# Altium PCB FMC_ADC_100M_10B_16CHA_TDC.PcbDoc (part 4 of 12) (continued)
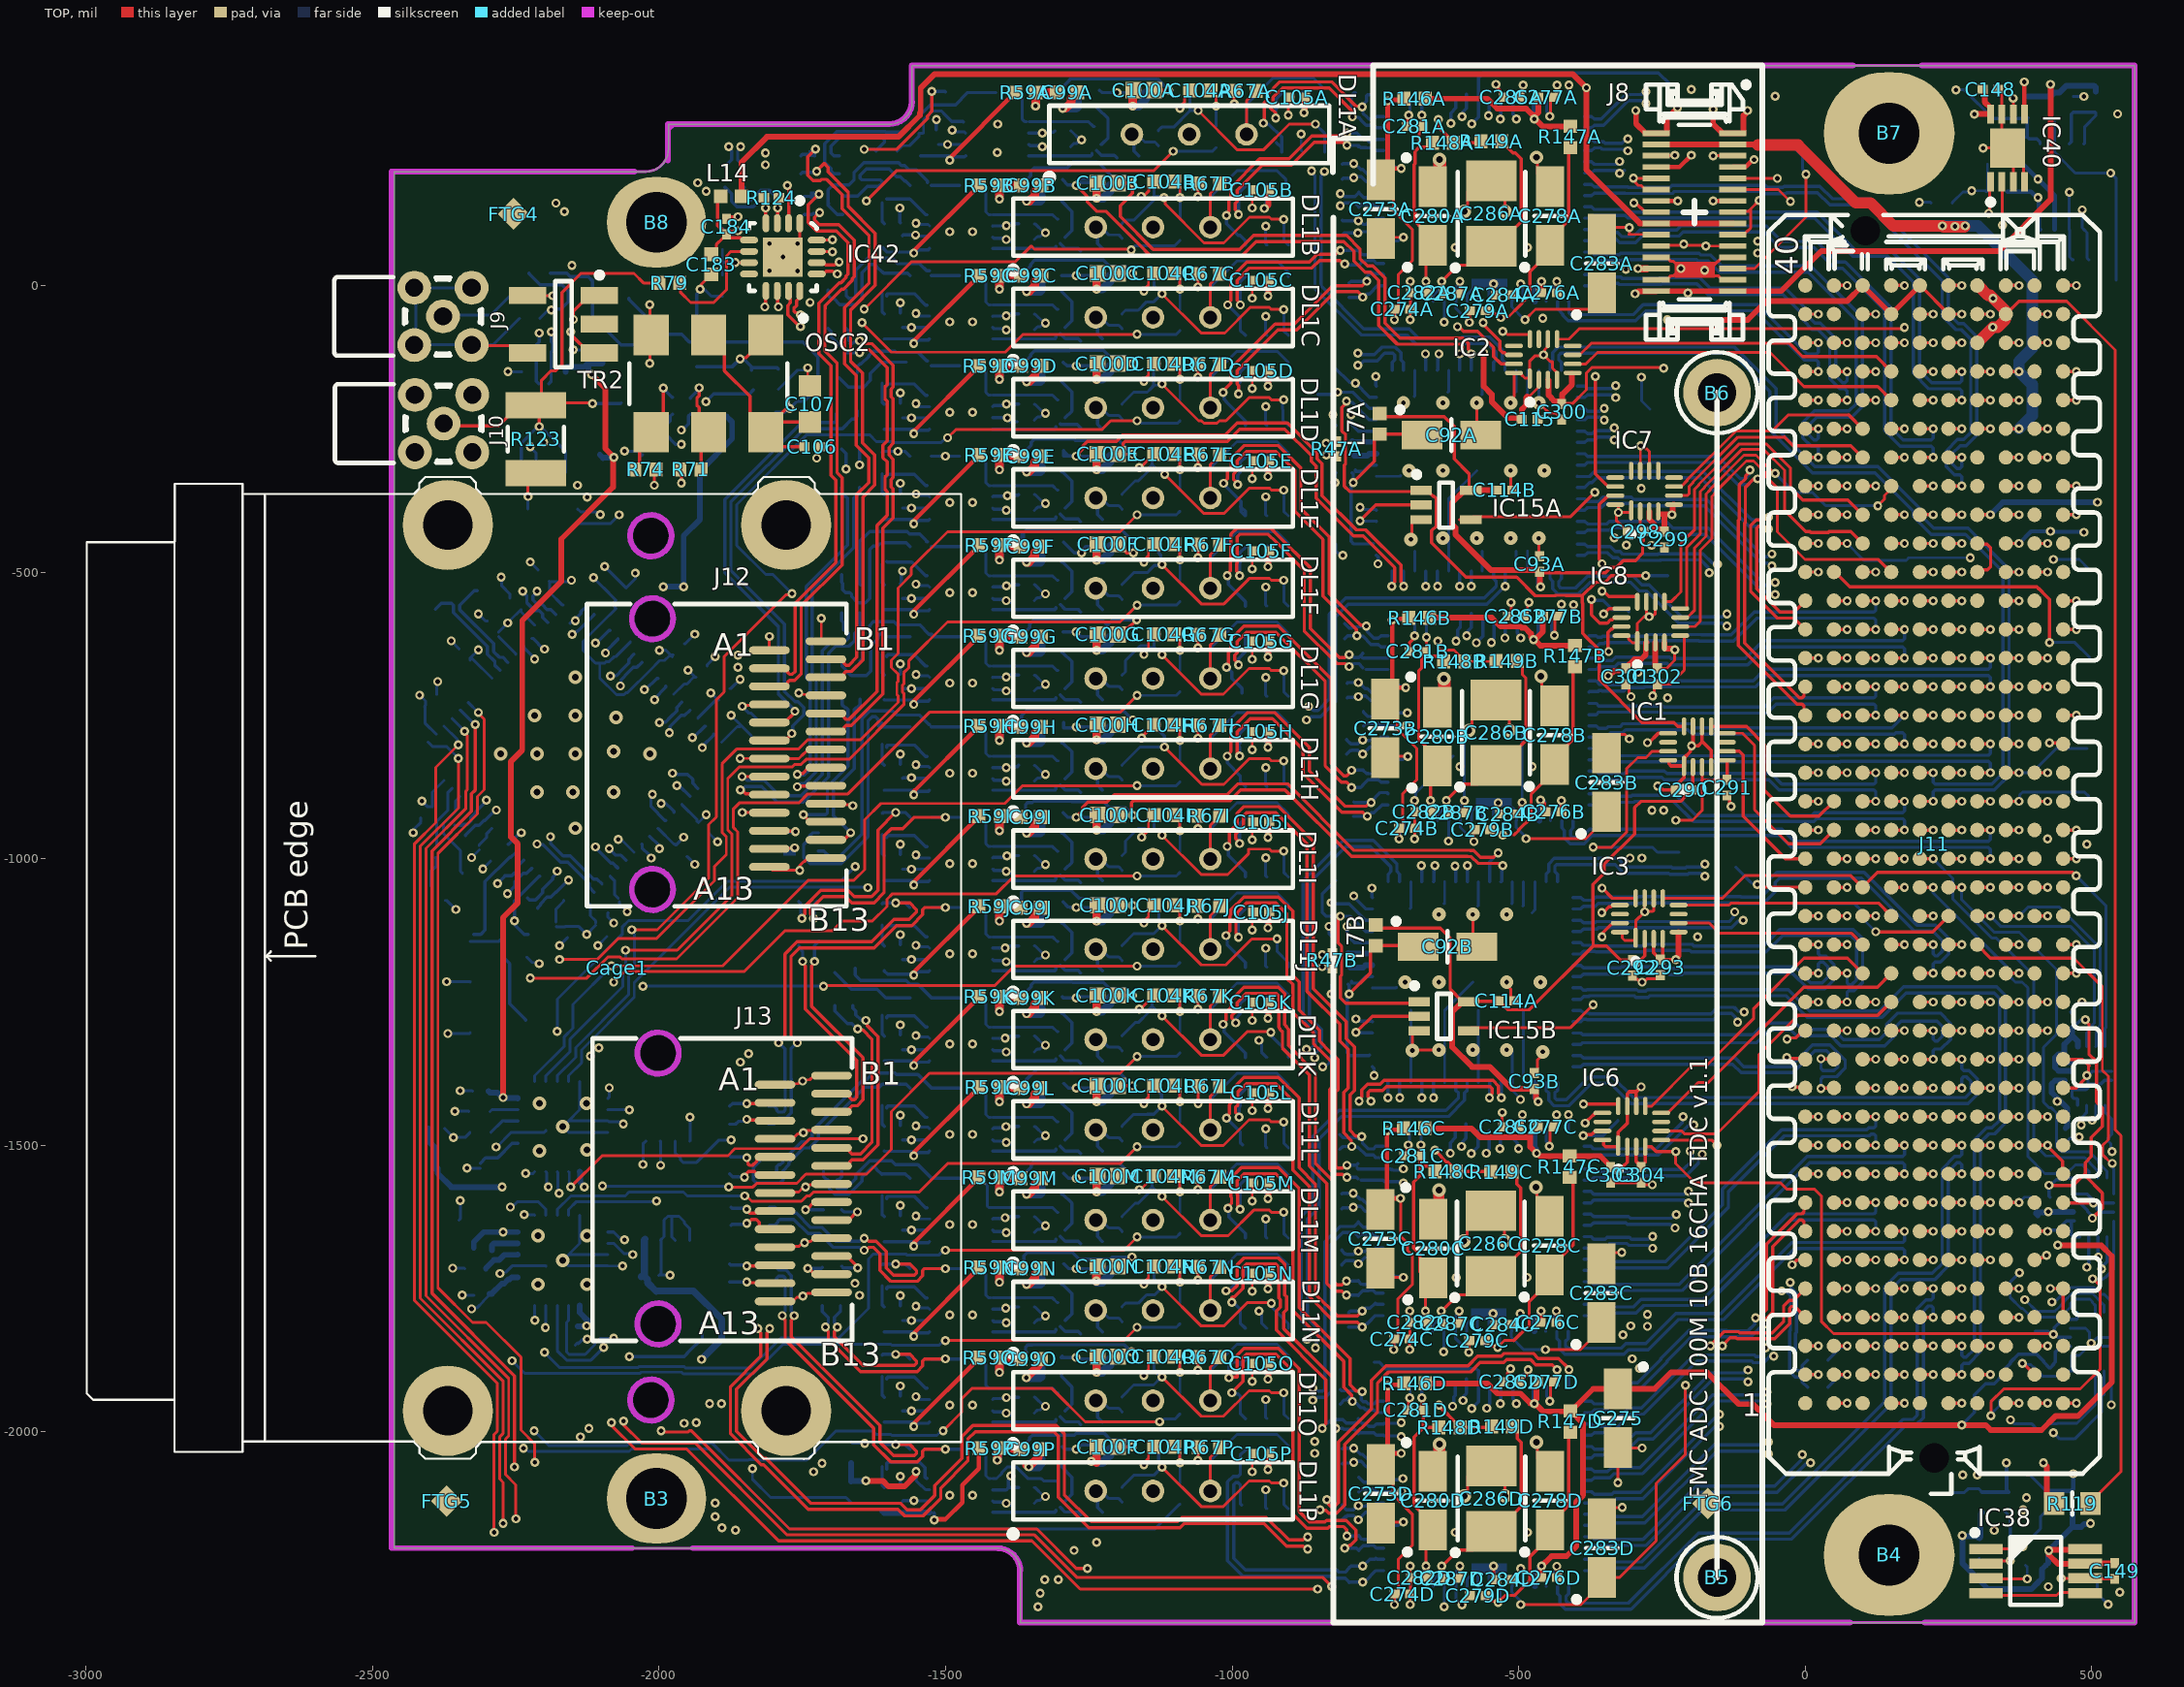
[diagram p0: TOP view]
## Nets (pads, with @x,y where several pads share a name; then routed paths per layer and width w, separated by ;. In a path a pad name is that pad's centre, name@x,y a point inside that pad or via, vN(x,y) a via of type N, cw(c..) or ccw(c..) an arc to the next point about the centre after c; other vN are vias at no path point) (continued)
CFD_OFFSET4: IC35.5 R70E.1 | length 2095.4
  TOP w5: v1(-2173.62,-1175.8) -2107.7,-1175.8 -2071.34,-1139.44 -2004.25,-1139.44 -1903.41,-1038.6 -1903.41,-1013.52 -1882.66,-992.77 -1882.66,-961.65 -1890.1,-954.21 -1890.1,-834.55 -1863.85,-808.3 -1756.32,-808.3 -1740.57,-792.55 -1648.33,-792.55 -1583.07,-727.29 -1583.07,-715.75 -1584.94,-713.87 -1584.94,-692.85 -1583.07,-690.97 -1583.07,-677.98 -1594.63,-666.42 -1594.63,-653.68 -1583.07,-642.12 -1583.07,-527.7 -1559.82,-504.46 -1559.82,-492.89 -1496.65,-429.72 -1195.38,-429.72 v1(-1165.87,-400.21)
  L3 w5: v1(-2193.3,-1572.89) -2193.3,-1521.45 -2189.75,-1517.9 -2189.75,-1359.55 -2192.93,-1356.36 -2192.93,-1195.11 v1(-2173.62,-1175.8)
  BOTTOM w5: IC35.5@-2197.32,-1546.14 -2196.02,-1547.44 -2196.02,-1567.27 -2193.3,-1569.98 v1(-2193.3,-1572.89) ; v1(-1165.87,-400.21) -1097.37,-400.21 R70E.1@-1091.07,-393.91
CFD_OFFSET5: IC35.14 R70F.1 | length 1677.2
  TOP w5: v1(-2058.47,-1159.5) -1968.17,-1159.5 -1872.66,-1063.99 -1872.66,-957.5 -1880.1,-950.07 -1880.1,-860.16 -1860.17,-840.23 -1767.88,-840.23 -1763.05,-835.41 -1751.93,-835.41 -1743.29,-826.76 -1668.4,-826.76 -1573.07,-731.44 -1573.07,-711.6 -1574.94,-709.73 -1574.94,-696.99 -1573.07,-695.11 -1573.07,-675.61 -1563.88,-666.42 -1563.88,-654.43 -1496.65,-587.2 -1195.38,-587.2 v1(-1165.87,-557.69)
  BOTTOM w5: IC35.14@-2197.32,-1388.66 -2197.32,-1378.82 -2155.26,-1336.76 -2155.26,-1314.83 -2063.32,-1222.89 -2063.32,-1199.57 -2058.47,-1194.72 v1(-2058.47,-1159.5) ; v1(-1165.87,-557.69) -1097.37,-557.69 R70F.1@-1091.07,-551.39
CFD_OFFSET6: IC35.6 R70G.1 | length 1811.2
  TOP w5: v1(-2224.8,-1208.29) -2126.05,-1208.29 -2089.44,-1171.69 -2068.03,-1171.69 -2064.84,-1174.88 -1969.41,-1174.88 -1862.66,-1068.13 -1862.66,-953.36 -1870.1,-945.93 -1870.1,-912.98 -1859.9,-902.79 -1756.32,-902.79 -1740.57,-887.04 -1670.51,-887.04 -1528.14,-744.68 -1195.38,-744.68 v1(-1165.87,-715.17)
  L3 w5: v1(-2232.67,-1549.27) -2232.67,-1500.14 -2223.29,-1490.76 -2223.29,-1461.23 -2222.91,-1460.84 -2222.91,-1456.7 -2229,-1450.61 -2229,-1419.22 -2225.32,-1415.55 v1@-2225.32,-1207.77
  BOTTOM w5: v1(-2232.67,-1549.27) -2220.13,-1549.27 IC35.6@-2217,-1546.14 ; v1(-1165.87,-715.17) -1097.37,-715.17 R70G.1@-1091.07,-708.87
CFD_OFFSET7: IC35.13 R70H.1 | length 1432.7
  TOP w5: v1(-2083.07,-1187.06) -1889.01,-1187.06 -1739.41,-1037.46 -1659.75,-1037.46 -1641.32,-1019.02 -1641.32,-932.29 -1612.8,-903.78 -1396.6,-903.78 -1365.48,-872.65 v1(-1165.87,-872.65)
  BOTTOM w5: IC35.13@-2217,-1388.66 -2217,-1378.82 -2165.26,-1327.08 -2165.26,-1310.69 -2150.41,-1295.84 -2150.41,-1254.4 v1(-2083.07,-1187.06) ; v1(-1165.87,-872.65) -1097.37,-872.65 R70H.1@-1091.07,-866.35
CFD_OFFSET8: IC36.3 R70I.1 | length 1888.5
  TOP w5: v1(-2079.14,-1215.45) -2060.75,-1197.06 -1851.64,-1197.06 -1780.58,-1126 -1698,-1126 -1681,-1109 -1628,-1109 -1602.5,-1083.5 -1602.5,-1071.01 -1592.75,-1061.26 -1411.48,-1061.26 -1380.35,-1030.13 v1(-1165.87,-1030.13)
  L3 w5: -2083.07,-1222.49 -2085.2,-1224.62 -2085.2,-1249.42 -2093.07,-1257.29 -2093.07,-1320.24 -2089.84,-1323.47 -2089.84,-1336.2 -2093.07,-1339.43 -2093.07,-1383.98 -2102.38,-1393.29 -2102.38,-1545.58 -2079.14,-1568.83 v1(-2079.14,-1836.67)
  BOTTOM w5: IC36.3@-2157.95,-1779.41 -2157.95,-1805.46 -2161.44,-1808.95 -2161.44,-1860.44 -2157.05,-1864.84 -2128.86,-1864.84 -2112.13,-1848.1 -2112.13,-1846.48 -2102.31,-1836.67 v1(-2079.14,-1836.67) ; v1(-1165.87,-1030.13) -1097.37,-1030.13 R70I.1@-1091.07,-1023.83
CFD_OFFSET9: IC36.16 R70J.1 | length 1576.7
  TOP w5: v1(-1712.99,-1222.49) -1711.56,-1221.06 -1413.79,-1221.06 -1380.35,-1187.61 v1(-1165.87,-1187.61)
  L3 w5: v1(-2027.95,-1222.5) -2044.13,-1222.5 -2083.07,-1261.44 -2083.07,-1316.1 -2079.84,-1319.33 -2079.84,-1340.35 -2083.07,-1343.57 -2083.07,-1381.85 -2071.64,-1393.29 -2071.64,-1415.03 -2063.91,-1422.75 -2045.21,-1422.75 -2036.2,-1431.76 -2036.2,-1450.46 -2012.58,-1474.08 -2012.58,-1541.32 -2004.33,-1549.57 v1(-2004.33,-1597.07)
  BOTTOM w5: IC36.16@-2157.95,-1621.93 -2157.95,-1612.08 -2144.13,-1598.26 -2005.53,-1598.26 v1(-2004.33,-1597.07) ; v1(-2027.95,-1222.5) v1@-1712.99,-1222.49 ; v1(-1165.87,-1187.61) -1097.37,-1187.61 R70J.1@-1091.07,-1181.31
CFD_OFFSET10: IC36.4 R70K.1 | length 1602.9
  TOP w5: v1(-1878.34,-1572.89) -1836.26,-1572.89 -1829.55,-1566.17 -1759.51,-1566.17 -1743.76,-1550.43 -1637.81,-1550.43 -1594.63,-1507.25 -1594.63,-1441.09 -1528.14,-1374.6 -1195.38,-1374.6 v1(-1165.87,-1345.09)
  L3 w5: v1(-2098.82,-1570.89) -2097.79,-1571.92 -2097.79,-1851.82 v1(-2096.75,-1852.85)
  BOTTOM w5: IC36.4@-2177.63,-1779.41 -2177.63,-1858.39 -2161.19,-1874.84 -2118.74,-1874.84 v1(-2096.75,-1852.85) ; v1(-2098.82,-1570.89) -2098.02,-1571.69 -1879.54,-1571.69 v1(-1878.34,-1572.89) ; v1(-1165.87,-1345.09) -1097.37,-1345.09 R70K.1@-1091.07,-1338.79
CFD_OFFSET11: IC36.15 R70L.1 | length 1161.9
  TOP w5: v1@-1854.67,-1588.26 -1847.76,-1588.26 -1838.36,-1597.67 -1751.64,-1597.67 -1742.23,-1588.26 -1737.07,-1588.26 -1730.73,-1581.92 -1546.49,-1581.92 -1496.65,-1532.08 -1195.38,-1532.08 v1(-1165.87,-1502.57)
  BOTTOM w5: IC36.15@-2177.63,-1621.93 -2177.63,-1612.08 -2153.81,-1588.26 -2059.1,-1588.26 -2052.53,-1581.69 -1957.37,-1581.69 -1950.8,-1588.26 -1850.67,-1588.26 v1(-1850.45,-1588.48) ; v1(-1165.87,-1502.57) -1097.37,-1502.57 R70L.1@-1091.07,-1496.27
CFD_OFFSET12: IC36.5 R70M.1 | length 1354.3
  TOP w5: v1(-1500.4,-1683.12) -1188.94,-1683.12 v1(-1165.87,-1660.05)
  L3 w5: v1(-2200.02,-1860.97) -2199.2,-1860.15 -2199.2,-1818.98 v1(-2198.38,-1818.16)
  BOTTOM w5: v1(-2200.02,-1860.97) -2172.97,-1888.02 -2036.86,-1888.02 -2034.62,-1885.78 -1956.75,-1885.78 -1953.73,-1888.8 -1839.77,-1888.8 -1787.18,-1836.21 -1686.44,-1836.21 -1634.62,-1784.39 -1634.62,-1698.12 -1626.06,-1689.56 -1569.52,-1689.56 -1567.9,-1691.18 -1511.36,-1691.18 -1503.3,-1683.12 v1(-1500.4,-1683.12) ; v1(-2198.38,-1818.16) -2197.85,-1817.63 -2197.85,-1779.94 IC36.5@-2197.32,-1779.41 ; v1(-1165.87,-1660.05) -1097.37,-1660.05 R70M.1@-1091.07,-1653.75
CFD_OFFSET13: IC36.14 R70N.1 | length 1564.8
  TOP w5: v1(-1500.4,-1840.6) -1188.94,-1840.6 v1(-1165.87,-1817.53)
  L3 w5: v1(-2259.37,-1607.89) -2259.37,-1610.8 -2256.3,-1613.87 v1(-2256.3,-1876.04)
  BOTTOM w5: v1(-2259.37,-1607.89) -2256.47,-1607.89 -2247.26,-1598.68 -2210.72,-1598.68 -2197.32,-1612.08 IC36.14@-2197.32,-1621.93 ; v1(-2256.3,-1876.04) -2234.31,-1898.02 -2032.72,-1898.02 -2030.48,-1895.78 -1960.89,-1895.78 -1957.88,-1898.8 -1835.63,-1898.8 -1783.87,-1847.04 -1595.44,-1847.04 -1593.82,-1848.66 -1511.36,-1848.66 -1503.3,-1840.6 v1(-1500.4,-1840.6) ; v1(-1165.87,-1817.53) -1097.37,-1817.53 R70N.1@-1091.07,-1811.23
CFD_OFFSET14: IC36.6 R70O.1 | length 1473.4
  TOP w5: v1(-1504.33,-1998.08) -1471.84,-1965.59 -1471.84,-1942.33 -1453.35,-1923.83 -1315.01,-1923.83 -1256.33,-1982.51 -1126.56,-1982.51 v1(-1126.38,-1982.34)
  L3 w5: v1(-2217.9,-1998.08) -2217.42,-1997.6 -2217.42,-1805.66 v1(-2216.93,-1805.17)
  BOTTOM w5: v1(-2217.9,-1998.08) -2191.8,-2024.19 -2056.31,-2024.19 -2052.07,-2019.95 -1907.37,-2019.95 -1877.88,-2049.44 -1844.21,-2049.44 -1843.33,-2048.56 -1830.59,-2048.56 -1829.71,-2049.44 -1742.35,-2049.44 -1691.53,-1998.62 -1626.89,-1998.62 -1620.98,-2004.52 -1595.44,-2004.52 -1593.82,-2006.14 -1515.3,-2006.14 -1507.24,-1998.08 v1(-1504.33,-1998.08) ; IC36.6@-2217,-1779.41 IC36.6@-2217,-1779.41 -2216.97,-1805.13 v1(-2216.93,-1805.17) ; v1(-1126.38,-1982.34) -1123.47,-1982.34 -1118.77,-1977.63 -1099.98,-1977.63 R70O.1@-1091.07,-1968.71
CFD_OFFSET15: IC36.13 R70P.1 | length 1651.8
  L3 w5: v1(-2236.62,-2028.52) -2235.92,-2027.83 -2235.92,-1621.77 v1(-2235.23,-1621.08)
  BOTTOM w5: v1(-2236.62,-2028.52) -2233.71,-2028.52 -2228.03,-2034.19 -2052.17,-2034.19 -2047.93,-2029.95 -1911.52,-2029.95 -1772.14,-2169.33 -1134.99,-2169.33 -1091.85,-2126.19 R70P.1@-1091.07,-2126.19 ; v1(-2235.23,-1621.08) -2217.85,-1621.08 IC36.13@-2217,-1621.93
CFD_OUT0.SIG_N: IC32A.3 IC50A.48 R140A.2 | length 408.6
  TOP w5.71: v1(-945.64,283.18) -944.14,284.68 -944.14,319.2 -939.15,324.18 -939.15,332.53 -916.55,355.13 -826.06,355.13 -783.66,312.73 -773.79,312.73 v1(-772.81,311.76)
  BOTTOM w5.71: v1@-945.64,281.81 -945.09,281.26 -935.95,281.26 -913.78,259.09 IC32A.3@-913.78,240.36 ; IC32A.3@-922.74,249.32 IC32A.3@-913.78,240.36 ; IC32A.3@-913.78,232.49 IC32A.3@-913.78,240.36 ; R140A.2@-760.24,332.62 -764.16,332.62 -765.63,331.15 -765.63,321.65 -772.81,314.47 v1(-772.81,311.76) -771.84,310.78 -771.84,300.9 -764.85,293.92 -764.85,293.41 -761.5,290.07 -752.66,290.07 -748.18,294.55 IC50A.48@-735.7,294.55
CFD_OUT0.SIG_P: IC32A.4 IC50A.47 R140A.1 | length 373.3
  TOP w5.71: v1(-924,291.9) -924,300.6 -933.43,310.03 -933.43,314.76 -928.44,319.74 -928.44,328.09 -912.11,344.42 -830.5,344.42 -791.24,305.16 -791.24,295.28 v1(-790.27,294.3)
  BOTTOM w5.71: v1(-924,291.9) -924,309.56 -922.74,308.29 -922.74,325.9 IC32A.4@-913.78,334.85 ; R140A.1@-784.85,336.56 R140A.1@-786.22,336.56 -786.62,336.56 -792.03,331.15 -792.03,296.07 v1(-790.27,294.3) -789.29,293.33 -779.41,293.33 -775.56,289.48 -775.56,288.98 -765.94,279.35 -752.66,279.35 -748.18,274.87 IC50A.47@-735.7,274.87
CFD_OUT1.SIG_N: IC32B.3 IC50A.46 R141A.2 | length 433.2
  TOP w5.71: v1(-1009.89,122.34) -1009.89,125.06 -1005.52,129.43 -1005.52,147.96 -1002.27,151.21 -1002.27,170.56 -952,220.82 -900.97,220.82 -861.14,260.66 -807.34,260.66 -802.32,265.68 v1(-799.61,265.68)
  BOTTOM w5.71: v1(-1009.89,122.34) -1009.89,107.45 -989.78,87.35 -985.85,87.35 -976.89,78.4 IC32B.3@-976.89,70.52 ; v1(-799.61,265.68) -782.27,265.68 -771.64,255.05 -765.85,255.05 -761.5,250.7 -752.66,250.7 -748.18,255.18 IC50A.46@-735.7,255.18
CFD_OUT1.SIG_P: IC32B.4 IC50A.45 R141A.1 | length 397.2
  TOP w5.71: v1(-989,124) -989,126.56 -994.81,132.36 -994.81,143.52 -991.55,146.77 -991.55,166.12 -947.57,210.11 -896.54,210.11 -856.7,249.95 -807.34,249.95 -802.32,244.93 v1(-799.61,244.93)
  BOTTOM w5.71: v1(-989,124) -989,152.9 -985.85,156.06 -985.85,163.93 IC32B.4@-976.89,172.88 ; v1(-799.61,244.93) -799.01,244.33 -781.69,244.33 R141A.1@-779.55,242.19 ; R141A.1@-779.55,244.33 -775.69,240.48 -766.43,240.48 -765.94,239.98 -752.66,239.98 -748.18,235.5 IC50A.45@-735.7,235.5
CFD_OUT2.SIG_N: IC32C.3 IC50A.36 R142A.2 | length 407.1
  TOP w5.71: v1(-1007.72,-34.07) -1007.72,-31.35 -1002.14,-25.77 -1002.14,-14.52 -1002.27,-14.39 -1002.27,13.08 -974.24,41.1 -865.07,41.1 -851.98,54.2 -819.78,54.2 -813.02,60.97 v1(-811.42,60.97)
  BOTTOM w5.71: v1(-1007.72,-34.07) -1001.58,-40.21 -1001.58,-40.58 -992.36,-49.8 -991.99,-49.8 -985.85,-55.94 -985.85,-78 IC32C.3@-976.89,-86.96 ; v1(-811.42,60.97) -779.67,60.97 R142A.2@-779.01,60.3 -779.01,59.51 -773.6,54.1 -770.59,54.1 -770.25,53.77 -765.52,53.77 -765.44,53.85 -752.66,53.85 -748.18,58.33 IC50A.36@-735.7,58.33
CFD_OUT2.SIG_P: IC32C.4 IC50A.35 R142A.1 | length 378.3
  TOP w5.71: v1(-985.85,-34.07) -985.85,-31.35 -991.43,-25.77 -991.43,-10.08 -991.55,-9.96 -991.55,8.64 -969.8,30.39 -860.64,30.39 -847.54,43.49 -811.73,43.49 -805.59,37.35 v1(-803.36,37.35)
  BOTTOM w5.71: v1(-985.85,-34.07) -985.85,6.45 IC32C.4@-976.89,15.4 ; v1(-803.36,37.35) -802.04,36.02 -780.71,36.02 R142A.1@-779.01,34.32 -779.01,35.1 -771.06,43.05 -761.08,43.05 -761,43.13 -752.66,43.13 -748.18,38.65 IC50A.35@-735.7,38.65
CFD_OUT3.SIG_N: IC32D.3 IC50A.34 R143A.2 | length 495.2
  TOP w5.71: v1(-1015.79,-186.71) -1015.79,-184 -1002.27,-170.47 -1002.27,-144.4 -924.96,-67.1 -891.69,-67.1 -824.81,-0.22 -773.37,-0.22 -765.8,7.35 v1(-765.01,7.35)
  BOTTOM w5.71: v1@-1013.87,-189.3 -1013.87,-198.51 -1010.5,-201.88 -1010.5,-202.95 -976.89,-236.56 IC32D.3@-976.89,-244.44 ; R143A.2@-795.67,4.28 -792.91,7.03 -772.88,7.03 v1@-772.56,7.35 ; v1(-765.01,7.35) v1@-772.56,7.35 ; IC50A.34@-735.7,18.96 -737.59,20.85 -754.33,20.85 -756.24,22.76 -757.16,22.76 v1@-772.56,7.35
CFD_OUT3.SIG_P: IC32D.4 IC50A.33 R143A.1 | length 433.9
  TOP w5.71: v1(-989,-189.05) -989,-174.41 -991.55,-171.85 -991.55,-148.84 -920.53,-77.81 -887.25,-77.81 -820.38,-10.94 -780.41,-10.94 -772.05,-19.3 v1(-772.05,-20.53)
  BOTTOM w5.71: v1(-989,-189.05) -989,-173.3 -989.76,-172.53 -985.85,-168.62 -985.85,-151.03 IC32D.4@-976.89,-142.08 ; R143A.1@-795.93,-20.66 -772.18,-20.66 v1(-772.05,-20.53) ; -764.71,-14.6 -760.41,-14.6 -746.53,-0.72 IC50A.33@-735.7,-0.72
CFD_OUT4.SIG_N: IC32E.3 IC50B.48 R140B.2 | length 707.7
  TOP w5.71: v1(-1015.18,-345.23) -1015.18,-343.8 -1008.25,-336.86 -1008.25,-323.97 -1001.79,-317.51 -1001.79,-306.53 -1002.27,-306.05 -1002.27,-301.88 -979.66,-279.28 -919,-279.28 -880.07,-318.21 -880.07,-389.58 -830.85,-438.81 -830.85,-537.72 -775.79,-592.78 v1@-765.91,-592.78
  BOTTOM w5.71: v1@-1016.13,-345.23 -984.26,-377.1 IC32E.3@-984.26,-386.68 ; IC32E.3@-985.85,-385.09 IC32E.3@-984.26,-386.68 ; R140B.2@-803.55,-590.21 -795.91,-597.85 -791.27,-597.85 -788.91,-595.48 -775.88,-595.48 v1@-770.29,-594.73 ; v1@-763.96,-594.73 -763.96,-604.61 -753.13,-615.44 -744.79,-615.44 -740.3,-610.96 IC50B.48@-727.83,-610.96 ; IC32E.3@-984.26,-386.68 -984.26,-394.55 IC32E.3@-976.89,-401.92 -976.89,-394.04 IC32E.3@-984.26,-386.68
  other v1: -766,-594
CFD_OUT4.SIG_P: IC32E.4 IC50B.47 R140B.1 | length 640.7
  TOP w5.71: v1(-990.6,-347.06) -990.6,-345.63 -997.53,-338.7 -997.53,-328.41 -991.08,-321.95 -991.08,-305.84 -975.23,-289.99 -923.44,-289.99 -890.78,-322.65 -890.78,-394.02 -841.56,-443.24 -841.56,-542.16 -783.37,-600.36 -783.37,-610.24 v1(-782.39,-611.21)
  BOTTOM w5.71: v1(-990.6,-347.06) -990.6,-330.85 -985.85,-326.1 -985.85,-308.51 IC32E.4@-976.89,-299.56 ; R140B.1@-803.55,-616.19 -798.56,-611.21 -785.04,-611.21 v1@-782.39,-608.56 ; v1(-782.39,-611.21) -781.42,-612.18 -771.54,-612.18 -757.56,-626.16 -744.79,-626.16 -740.3,-630.64 IC50B.47@-727.83,-630.64
CFD_OUT5.SIG_N: IC32F.3 IC50B.46 R141B.2 | length 570.8
  TOP w5.71: v1(-1008.6,-506.29) -1008.6,-503.57 -1002.99,-497.96 -1002.99,-480.64 -1002.27,-479.91 -1002.27,-433.88 -991.68,-423.3 -932.47,-423.3 -919,-436.76 -863.46,-492.3 -863.46,-598.46 -812.9,-649.03 -803.4,-649.03 -798.39,-644.01 v1(-795.67,-644.01)
  BOTTOM w5.71: v1@-1007.36,-510.24 -1006.68,-510.92 -1006.68,-521.74 -976.89,-551.53 IC32F.3@-976.89,-559.4 ; -787.94,-649.03 -778.9,-649.03 -772.05,-642.18 R141B.2@-772.05,-641.39 ; R141B.2@-773.02,-648.97 -771.71,-650.29 -756.33,-650.29 -756.29,-650.33 IC50B.46@-727.83,-650.33
CFD_OUT5.SIG_P: IC32F.4 IC50B.45 R141B.1 | length 549.6
  TOP w5.71: v1(-987,-506.51) -987,-503.79 -992.28,-498.52 -992.28,-485.08 -991.55,-484.35 -991.55,-438.32 -987.24,-434.01 -936.9,-434.01 -923.44,-447.47 -874.18,-496.74 -874.18,-602.9 -817.34,-659.74 -803.4,-659.74 -798.39,-664.76 v1(-795.67,-664.76)
  BOTTOM w5.71: v1(-987,-506.51) -987,-482.43 -985.85,-483.58 -985.85,-465.99 IC32F.4@-976.89,-457.04 ; v1(-795.67,-664.76) -792.96,-664.76 -787.94,-659.74 -778.9,-659.74 -772.05,-666.59 R141B.1@-772.05,-667.38 ; R141B.1@-766.02,-669.97 -764.48,-669.97 -764.44,-670.01 IC50B.45@-727.83,-670.01
CFD_OUT6.SIG_N: IC32G.3 IC50B.36 R142B.2 | length 597.4
  TOP w5.71: v1(-1010,-666) -1010,-663.28 -1006.18,-659.47 -1006.18,-640.6 -1002.27,-636.69 -1002.27,-616.84 -979.66,-594.24 -919,-594.24 -826.98,-686.26 -826.98,-833.86 -805.25,-855.59 -800.52,-855.59 -791.73,-846.81 v1(-791.73,-845.86)
  BOTTOM w5.71: v1(-1010,-666) -1008.94,-666 -1000.57,-674.38 -1000.57,-685.33 -982.97,-702.93 IC32G.3@-982.97,-710.8 ; v1(-791.73,-845.86) -791.08,-845.21 R142B.2@-771.14,-845.21 -771.14,-846 -765.72,-851.41 -762.71,-851.41 -762.38,-851.75 -757.64,-851.75 -757.56,-851.66 -744.79,-851.66 -740.3,-847.18 IC50B.36@-727.83,-847.18
CFD_OUT6.SIG_P: IC32G.4 IC50B.35 R142B.1 | length 575.4
  TOP w5.71: v1(-989,-662) -989,-660.1 -995.47,-653.63 -995.47,-645.04 -991.55,-641.13 -991.55,-621.28 -975.23,-604.95 -923.44,-604.95 -837.69,-690.7 -837.69,-838.3 -809.69,-866.31 -800.52,-866.31 -791.73,-875.09 v1(-791.73,-876.04)
  BOTTOM w5.71: v1(-989,-662) -988.66,-661.66 -988.66,-650.51 -976.77,-638.62 -976.77,-614.64 IC32G.4@-976.89,-614.52 ; v1(-791.73,-876.04) -775.98,-876.04 R142B.1@-771.14,-871.19 -771.14,-870.41 -763.19,-862.46 -753.21,-862.46 -753.13,-862.38 -744.79,-862.38 -740.3,-866.86 IC50B.35@-727.83,-866.86
CFD_OUT7.SIG_N: IC32H.3 IC50B.34 R143B.2 | length 536.8
  TOP w5.71: v1(-1008.61,-821.26) -1008.61,-819.23 -1002.27,-812.89 -1002.27,-774.32 -973.23,-745.29 -925.44,-745.29 -865.44,-805.28 -865.44,-846.8 -803.88,-908.36 -765.84,-908.36 -759.57,-902.08 v1(-757.48,-902.08)
  BOTTOM w5.71: v1(-1008.61,-821.26) -1008.28,-821.58 -1008.28,-832.76 -985.85,-855.19 -985.85,-865.41 IC32H.3@-976.89,-874.36 ; R143B.2@-787.8,-901.23 -786.95,-902.08 v1@-758.84,-902.08 ; v1(-757.48,-902.08) v1@-758.84,-902.08 ; IC50B.34@-727.83,-886.55 -729.72,-884.66 -741.41,-884.66 v1@-758.84,-902.08
CFD_OUT7.SIG_P: IC32H.4 IC50B.33 R143B.1 | length 490.9
  TOP w5.71: v1@-991.55,-817.09 -991.55,-778.76 -968.79,-756 -929.87,-756 -876.15,-809.72 -876.15,-851.24 -808.32,-919.07 -772.54,-919.07 -765.57,-926.04 v1(-764.17,-926.04) ; v1@-989.88,-815.41 -987,-818.28 v1(-987,-821)
  BOTTOM w5.71: v1(-987,-821) -987,-805.24 -989.76,-802.47 -985.85,-798.56 -985.85,-780.95 IC32H.4@-976.89,-772 ; R143B.1@-788.05,-926.17 -764.31,-926.17 v1(-764.17,-926.04) ; -756.84,-920.11 -752.53,-920.11 -738.65,-906.23 IC50B.33@-727.83,-906.23
CFD_OUT8.SIG_N: IC32I.3 IC50C.48 R140C.2 | length 946
  TOP w5.71: v1(-1008.61,-978.74) -1008.61,-976.02 -1004.66,-972.07 -1004.66,-952.67 -990.97,-938.98 -990.97,-920.5 -979.66,-909.2 -919,-909.2 -858.65,-969.56 -858.65,-1227.04 -801.16,-1284.53 -801.16,-1313.75 -786.76,-1328.15 -786.76,-1404.6 -794.43,-1412.27 -794.43,-1473.88 -784.58,-1483.73 -774.7,-1483.73 v1(-773.73,-1484.7)
  BOTTOM w5.71: v1(-1008.61,-978.74) -1006.69,-980.66 -1006.69,-994.17 -976.89,-1023.97 IC32I.3@-976.89,-1031.84 ; R140C.2@-812.34,-1481.16 -807.07,-1486.42 -781.88,-1486.42 v1@-779.52,-1488.79 ; v1(-773.73,-1484.7) -772.75,-1485.67 -772.75,-1495.55 -761.92,-1506.39 -753.58,-1506.39 -749.09,-1501.9 IC50C.48@-736.62,-1501.9
CFD_OUT8.SIG_P: IC32I.4 IC50C.47 R140C.1 | length 894.4
  TOP w5.71: v1(-987,-973.42) -987,-972 -993.94,-965.06 -993.94,-957.11 -980.25,-943.42 -980.25,-924.94 -975.23,-919.91 -923.44,-919.91 -869.36,-974 -869.36,-1231.48 -811.87,-1288.96 -811.87,-1318.18 -797.47,-1332.58 -797.47,-1400.16 -805.14,-1407.83 -805.14,-1478.31 -792.16,-1491.3 -792.16,-1501.18 v1(-791.18,-1502.15)
  BOTTOM w5.71: v1(-987,-973.42) -987,-939.58 IC32I.4@-976.89,-929.48 ; R140C.1@-812.34,-1507.14 -807.35,-1502.15 -793.83,-1502.15 v1@-791.18,-1499.5 ; v1(-791.18,-1502.15) -790.21,-1503.13 -780.33,-1503.13 -766.36,-1517.1 -753.58,-1517.1 -749.09,-1521.59 IC50C.47@-736.62,-1521.59
CFD_OUT9.SIG_N: IC32J.3 IC50C.46 R141C.2 | length 850.7
  TOP w5.71: v1(-1010.57,-1134.25) -1010.57,-1132.39 -1004.07,-1125.88 -1004.07,-1099.43 -1002.27,-1097.63 -1002.27,-1089.28 -979.66,-1066.68 -919,-1066.68 -893.9,-1091.79 -893.9,-1204.34 -883.18,-1215.06 -883.18,-1263.86 -847.31,-1299.73 -847.31,-1318.5 -829.36,-1336.45 ; -829.36,-1336.49 -815.65,-1350.2 -815.65,-1403.18 -819.4,-1406.93 -819.4,-1536.63 -816.05,-1539.97 -807.34,-1539.97 -802.32,-1534.95 v1(-799.61,-1534.95)
  BOTTOM w5.71: v1(-1010.57,-1134.25) -1008.65,-1136.17 -1008.65,-1149.69 -976.89,-1181.45 IC32J.3@-976.89,-1189.32 ; v1(-799.61,-1534.95) -783.46,-1534.95 R141C.2@-780.84,-1532.34 ; R141C.2@-781.81,-1539.92 -780.5,-1541.23 -765.12,-1541.23 -765.08,-1541.27 -724.14,-1541.27 -722.97,-1542.44 -720.52,-1542.44 -719.39,-1543.56 -709.54,-1543.56 -708.96,-1542.98 -703.1,-1542.98 v1(-701.18,-1541.06)
CFD_OUT9.SIG_P: IC32J.4 IC50C.45 R141C.1 | length 813.6
  TOP w5.71: v1(-989,-1137) -989,-1134.28 -993.35,-1129.93 -993.35,-1103.87 -991.55,-1102.07 -991.55,-1093.72 -975.23,-1077.39 -923.44,-1077.39 -904.61,-1096.23 -904.61,-1208.78 -893.9,-1219.49 -893.9,-1268.29 -858.02,-1304.17 -858.02,-1322.94 -854.74,-1326.21 ; -854.74,-1326.26 -849.33,-1331.67 ; -849.29,-1331.67 -840.07,-1340.89 ; -840.07,-1340.93 -826.36,-1354.64 -826.36,-1398.75 -830.11,-1402.5 -830.11,-1541.06 -820.49,-1550.68 -807.34,-1550.68 -802.32,-1555.7 v1(-799.61,-1555.7)
  BOTTOM w5.71: v1@-989.76,-1137 -989.76,-1099.83 IC32J.4@-976.89,-1086.96 ; v1(-799.61,-1555.7) -783.46,-1555.7 R141C.1@-780.84,-1558.32 ; R141C.1@-774.81,-1560.92 -773.27,-1560.92 -773.23,-1560.96 IC50C.45@-736.62,-1560.96 -734.33,-1563.25 -709.54,-1563.25 -708.96,-1563.83 -703.1,-1563.83 v1(-701.18,-1565.75)
CFD_OUT10.SIG_N: IC32K.3 IC50C.36 R142C.2 | length 861.4
  TOP w5.71: v1(-1015.79,-1289.07) -1015.79,-1286.36 -1011.03,-1281.6 -1011.03,-1268.79 -1002.27,-1260.02 -1002.27,-1246.76 -979.66,-1224.16 -919,-1224.16 -908.13,-1235.04 -908.13,-1289.7 -905.93,-1291.89 -905.93,-1293.07 -901.5,-1297.5 -901.5,-1326.08 -854.74,-1372.84 -854.74,-1531.58 -824.33,-1562 -824.33,-1736.25 -816.79,-1743.79 -808.89,-1743.79 -801.9,-1736.8 v1(-800.52,-1736.8)
  BOTTOM w5.71: v1@-1013.87,-1291.66 -1013.87,-1301.95 -976.89,-1338.93 IC32K.3@-976.89,-1346.8 ; v1(-800.52,-1736.8) -780.58,-1736.8 R142C.2@-779.93,-1736.16 -779.93,-1736.94 -774.51,-1742.35 -771.5,-1742.35 -771.17,-1742.69 -766.44,-1742.69 -766.36,-1742.61 -753.58,-1742.61 -749.09,-1738.12 IC50C.36@-736.62,-1738.12
CFD_OUT10.SIG_P: IC32K.4 IC50C.35 R142C.1 | length 821.2
  TOP w5.71: v1(-993.86,-1286.45) -993.86,-1284.55 -1000.32,-1278.09 -1000.32,-1273.22 -991.55,-1264.46 -991.55,-1251.2 -975.23,-1234.87 -923.44,-1234.87 -918.84,-1239.48 -918.84,-1294.14 -916.64,-1296.33 -916.64,-1297.51 -912.21,-1301.94 -912.21,-1330.52 -865.46,-1377.27 -865.46,-1536.02 -835.04,-1566.43 -835.04,-1740.69 -821.23,-1754.5 -808.89,-1754.5 -801.9,-1761.49 v1(-800.52,-1761.49)
  BOTTOM w5.71: v1(-993.86,-1286.45) -993.86,-1278.99 -985.85,-1270.98 -985.85,-1253.39 IC32K.4@-976.89,-1244.44 ; v1(-800.52,-1761.49) -780.58,-1761.49 R142C.1@-779.93,-1762.14 -779.93,-1761.35 -771.98,-1753.4 -762,-1753.4 -761.92,-1753.32 -753.58,-1753.32 -749.09,-1757.81 IC50C.35@-736.62,-1757.81
CFD_OUT11.SIG_N: IC32L.3 IC50C.34 R143C.2 | length 774.5
  TOP w5.71: v1(-1009.89,-1452.46) -1009.89,-1449.74 -1004.98,-1444.83 -1004.98,-1429.29 -1000.7,-1425.02 -1000.7,-1402.67 -979.66,-1381.64 -919,-1381.64 -883.18,-1417.46 -883.18,-1538.98 -854.73,-1567.44 -854.73,-1759.58 -816.46,-1797.85 -781.39,-1797.85 v1(-772.96,-1789.42)
  BOTTOM w5.71: v1(-1009.89,-1452.46) -985.85,-1476.5 -985.85,-1495.33 IC32L.3@-982.18,-1499 ; R143C.2@-796.59,-1792.18 -793.83,-1789.42 v1@-773.8,-1789.42 ; v1(-772.96,-1789.42) -767.94,-1784.41 -759.4,-1784.41 -750.53,-1775.53 -749.8,-1775.53 -747.84,-1777.49 IC50C.34@-736.62,-1777.49
CFD_OUT11.SIG_P: IC32L.4 IC50C.33 R143C.1 | length 743.6
  TOP w5.71: v1(-988,-1451) -988,-1448.9 -994.26,-1442.64 -994.26,-1433.73 -989.98,-1429.45 -989.98,-1407.11 -975.23,-1392.35 -923.44,-1392.35 -893.9,-1421.9 -893.9,-1543.42 -865.44,-1571.88 -865.44,-1764.01 -820.89,-1808.56 -781.39,-1808.56 v1(-772.96,-1816.98)
  BOTTOM w5.71: v1(-988,-1451) -988,-1434.16 -985.85,-1432.01 -985.85,-1410.87 IC32L.4@-976.89,-1401.92 ; R143C.1@-796.96,-1817.24 -796.84,-1817.12 -773.1,-1817.12 v1(-772.96,-1816.98) ; -765.63,-1811.06 -764,-1811.06 -762.49,-1809.55 -762.49,-1809.49 -750.18,-1797.18 IC50C.33@-736.62,-1797.18
CFD_OUT12.SIG_N: IC32M.3 IC50D.48 R140D.2 | length 761.7
  TOP w5.71: v1(-1007.46,-1609.78) -1007.46,-1607.79 -1001.09,-1601.42 -1001.09,-1590.98 -1002.27,-1589.81 -1002.27,-1557.29 -984.1,-1539.12 -919,-1539.12 -883.18,-1574.94 -883.18,-1783.6 -794.43,-1872.35 -794.43,-1917.84 -783.67,-1928.61 -773.79,-1928.61 v1(-772.81,-1929.58)
  BOTTOM w5.71: v1@-1002.83,-1611.7 -1005.54,-1614.42 -1005.54,-1625.24 -976.89,-1653.89 IC32M.3@-976.89,-1661.76 ; R140D.2@-811.42,-1926.04 -809.18,-1928.28 -777.45,-1928.28 -776.18,-1929.55 -776.18,-1930 -774.54,-1931.64 -774.54,-1943.88 -771.19,-1947.23 -766.33,-1947.23 -762.29,-1951.27 -752.67,-1951.27 -748.18,-1946.79 IC50D.48@-735.7,-1946.79
CFD_OUT12.SIG_P: IC32M.4 IC50D.47 R140D.1 | length 737.9
  TOP w5.71: v1(-986,-1611.7) -986,-1608.99 -990.38,-1604.61 -990.38,-1586.55 -991.55,-1585.37 -991.55,-1561.72 -979.66,-1549.83 -923.44,-1549.83 -893.9,-1579.38 -893.9,-1788.04 -805.14,-1876.79 -805.14,-1922.28 -791.24,-1936.18 -791.24,-1946.06 v1(-790.27,-1947.04)
  BOTTOM w5.71: v1(-986,-1611.7) -986,-1593.62 -985.85,-1593.47 -985.85,-1568.35 IC32M.4@-976.89,-1559.4 ; R140D.1@-811.42,-1952.02 -811.42,-1951.23 -804.57,-1944.39 -794.59,-1944.39 -794.38,-1944.59 -790.47,-1944.59 v1@-790.27,-1944.39 ; -799.9,-1942.95 -795.95,-1939 -795.23,-1939.71 -790.5,-1939.71 -785.25,-1944.96 -785.25,-1948.32 -775.63,-1957.94 -770.77,-1957.94 -766.73,-1961.98 -752.67,-1961.98 -748.18,-1966.47 IC50D.47@-735.7,-1966.47
CFD_OUT13.SIG_N: IC32N.3 IC50D.46 R141D.2 | length 672
  TOP w5.71: v1(-1000.51,-1774.23) -1000.51,-1765.82 -999.4,-1764.71 -996.25,-1764.71 -980.81,-1749.27 -980.81,-1712.9 -975.23,-1707.31 -923.44,-1707.31 -918.84,-1711.92 -918.84,-1766.58 -916.03,-1769.39 -916.03,-1782.42 -922.92,-1789.32 -922.92,-1822.51 -836.46,-1908.98 -836.46,-1985.78 -840.59,-1989.92 -840.59,-1992.54 v1@-838.98,-1994.15
  BOTTOM w5.71: v1@-993.86,-1778.17 -985.85,-1786.18 -985.85,-1810.29 IC32N.3@-976.89,-1819.24 ; v1(-842.91,-1994.15) -827.18,-1978.42 -807.16,-1978.42 -800.72,-1984.85 -786.77,-1984.85 -785.34,-1983.42 R141D.2@-774.51,-1983.42 ; R141D.2@-779.93,-1977.22 -779.93,-1978.01 R141D.2@-774.51,-1983.42 ; v1(-705.12,-1983.66) -706.45,-1984.99 -734.54,-1984.99 IC50D.46@-735.7,-1986.16 -748.18,-1986.16 -752.67,-1990.64 -761.51,-1990.64 -766.94,-1985.21 -772.72,-1985.21 R141D.2@-774.51,-1983.42
CFD_OUT13.SIG_P: IC32N.4 IC50D.45 R141D.1 | length 651.8
  TOP w5.71: v1(-1010.94,-1754) -1000.69,-1754 -991.52,-1744.84 -991.52,-1708.46 -979.66,-1696.6 -919,-1696.6 -908.13,-1707.48 -908.13,-1761.33 -905.31,-1764.14 -905.31,-1786.86 -910.17,-1791.71 -910.17,-1820.12 -825.74,-1904.54 -825.74,-1985.78 -819.29,-1992.24 v1(-819.29,-1994.15)
  BOTTOM w5.71: v1(-1010.94,-1754) -1006.14,-1754 -976.89,-1724.75 IC32N.4@-976.89,-1716.88 ; v1(-819.29,-1994.15) -818.85,-1993.71 -807.02,-1993.71 -805.16,-1995.57 -786.77,-1995.57 R141D.1@-782.54,-1999.8 ; R141D.1@-779.93,-2003.2 -778.08,-2001.35 -752.67,-2001.35 -748.18,-2005.84 IC50D.45@-735.7,-2005.84 -734.54,-2007.01 -706.45,-2007.01 v1(-705.12,-2008.34)
CFD_OUT14.SIG_N: IC32O.3 IC50D.36 R142D.2 | length 665.2
  TOP w5.71: v1(-1000.51,-1931.71) -1000.51,-1931.65 -980.81,-1911.95 -980.81,-1870.38 -975.23,-1864.79 -923.44,-1864.79 -893.9,-1894.34 -893.9,-2143.36 -869.39,-2167.86 -833.41,-2167.86 -830.8,-2165.24 -805.53,-2165.24 -800.26,-2170.51 -800.26,-2181.03 v1(-799.61,-2181.69)
  BOTTOM w5.71: v1@-998.5,-1933.63 -995.48,-1933.63 -995.41,-1933.7 -989.19,-1933.7 -985.85,-1937.05 -985.85,-1967.77 IC32O.3@-976.89,-1976.72 ; v1(-799.61,-2181.69) -779.66,-2181.69 R142D.2@-779.01,-2181.04 -779.01,-2181.82 -773.6,-2187.24 -770.59,-2187.24 -770.25,-2187.57 -765.52,-2187.57 -765.44,-2187.49 -752.67,-2187.49 -748.18,-2183.01 IC50D.36@-735.7,-2183.01
CFD_OUT14.SIG_P: IC32O.4 IC50D.35 R142D.1 | length 722.8
  TOP w5.71: v1(-1005.6,-1905.56) -1001.31,-1905.56 -999.89,-1904.15 -991.52,-1904.15 -991.52,-1865.94 -979.66,-1854.08 -919,-1854.08 -883.18,-1889.9 -883.18,-2138.92 -864.95,-2157.15 -837.85,-2157.15 -835.23,-2154.53 -801.09,-2154.53 -783.88,-2171.75 -783.88,-2188.2 -793.09,-2197.42 -795.43,-2197.42 -800.83,-2202.81 v1(-803.54,-2202.81)
  BOTTOM w5.71: v1(-1005.6,-1905.56) -1005.6,-1885.52 -998.5,-1878.42 -981.79,-1878.42 IC32O.4@-981.37,-1878.84 ; IC32O.4@-985.85,-1883.31 IC32O.4@-981.37,-1878.84 ; IC32O.4@-976.89,-1874.36 IC32O.4@-981.37,-1878.84 ; v1(-803.54,-2202.81) -783.23,-2202.81 R142D.1@-779.01,-2207.02 -779.01,-2206.23 -771.06,-2198.28 -761.08,-2198.28 -761,-2198.2 -752.67,-2198.2 -748.18,-2202.69 IC50D.35@-735.7,-2202.69
CFD_OUT15.SIG_N: IC32P.3 IC50D.34 R143D.2 | length 462.6
  BOTTOM w5.71: IC32P.3@-983.69,-2127.4 -985.85,-2125.25 -985.85,-2091.72 -989.19,-2088.38 -993.93,-2088.38 -997.27,-2091.72 -997.27,-2220.67 -976.89,-2241.05 -817.47,-2241.05 -813.83,-2244.7 -802.52,-2244.7 -795.67,-2237.85 R143D.2@-795.67,-2237.06 -792.92,-2234.3 v1(-772.05,-2234.3) -771.97,-2234.3 -759.66,-2222 -751.2,-2222 -749.61,-2220.42 -748.88,-2220.42 -746.92,-2222.38 IC50D.34@-735.7,-2222.38